# Allegro board LED_FIN.brd (continued)
## Routing (per net, layer and track width the routed paths; a pad name or vN(x,y) marks a point on that pad's centre or on a via; arc(x,y) is an arc through that point) (continued)
COL_OUT_C75: length 258
  TOP w0.15: D10755.1 v1(127.25,208.8) ; D10905.1 v1(127.25,198.8) ; v1(127.25,10.6) 126.7,10.6 R285.1 ; D10785.1 v1(127.25,206.8) ; D10695.1 v1(127.25,212.8) ; D11055.1 v1(127.25,188.8) ; D10545.1 v1(127.25,222.8) ; D11355.1 v1(127.25,168.8) ; D11205.1 v1(127.25,178.8) ; D10995.1 v1(127.25,192.8) ; D11175.1 v1(127.25,180.8) ; D11385.1 v1(127.25,166.8) ; D10665.1 v1(127.25,214.8) ; D10455.1 v1(127.25,228.8) ; D10815.1 v1(127.25,204.8) ; D10635.1 v1(127.25,216.8) ; D11025.1 v1(127.25,190.8) ; D11085.1 v1(127.25,186.8) ; D10335.1 v1(127.25,236.8) ; D10395.1 v1(127.25,232.8) ; D10305.1 v1(127.25,238.8) ; D10875.1 v1(127.25,200.8) ; D10845.1 v1(127.25,202.8) ; D10935.1 v1(127.25,196.8) ; D11265.1 v1(127.25,174.8) ; D10365.1 v1(127.25,234.8) ; D10485.1 v1(127.25,226.8) ; D11295.1 v1(127.25,172.8) ; D11325.1 v1(127.25,170.8) ; D11145.1 v1(127.25,182.8) ; D10725.1 v1(127.25,210.8) ; D10515.1 v1(127.25,224.8) ; D10605.1 v1(127.25,218.8) ; D10275.1 v1(127.25,240.8) ; D10575.1 v1(127.25,220.8) ; D11115.1 v1(127.25,184.8) ; D10425.1 v1(127.25,230.8) ; D10965.1 v1(127.25,194.8) ; D11235.1 v1(127.25,176.8)
  BOTTOM w0.15: v1(127.25,240.8) v1(127.25,238.8) v1(127.25,236.8) v1(127.25,234.8) v1(127.25,232.8) v1(127.25,230.8) v1(127.25,228.8) v1(127.25,226.8) v1(127.25,224.8) v1(127.25,222.8) v1(127.25,220.8) v1(127.25,218.8) v1(127.25,216.8) v1(127.25,214.8) v1(127.25,212.8) v1(127.25,210.8) v1(127.25,208.8) v1(127.25,206.8) v1(127.25,204.8) v1(127.25,202.8) v1(127.25,200.8) v1(127.25,198.8) v1(127.25,196.8) v1(127.25,194.8) v1(127.25,192.8) v1(127.25,190.8) v1(127.25,188.8) v1(127.25,186.8) v1(127.25,184.8) v1(127.25,182.8) v1(127.25,180.8) v1(127.25,178.8) v1(127.25,176.8) v1(127.25,174.8) v1(127.25,172.8) v1(127.25,170.8) v1(127.25,168.8) v1(127.25,166.8) 127.25,132.19 126.81,131.75 126.81,129.98 127.16,129.63 127.16,42.02 126.91,41.77 126.91,11.44 127.25,11.1 v1(127.25,10.6)
COL_OUT_C76: length 257.7
  TOP w0.15: v1(125.25,10.6) 124.7,10.6 R284.1 ; D10304.1 v1(125.25,238.8) ; D11204.1 v1(125.25,178.8) ; D10364.1 v1(125.25,234.8) ; D10814.1 v1(125.25,204.8) ; D10454.1 v1(125.25,228.8) ; D11144.1 v1(125.25,182.8) ; D10754.1 v1(125.25,208.8) ; D11084.1 v1(125.25,186.8) ; D10484.1 v1(125.25,226.8) ; D10664.1 v1(125.25,214.8) ; D10424.1 v1(125.25,230.8) ; D10964.1 v1(125.25,194.8) ; D10334.1 v1(125.25,236.8) ; D10604.1 v1(125.25,218.8) ; D11294.1 v1(125.25,172.8) ; D10844.1 v1(125.25,202.8) ; D11384.1 v1(125.25,166.8) ; D11054.1 v1(125.25,188.8) ; D11174.1 v1(125.25,180.8) ; D10784.1 v1(125.25,206.8) ; D11264.1 v1(125.25,174.8) ; D10574.1 v1(125.25,220.8) ; D10514.1 v1(125.25,224.8) ; D10934.1 v1(125.25,196.8) ; D10904.1 v1(125.25,198.8) ; D10694.1 v1(125.25,212.8) ; D10634.1 v1(125.25,216.8) ; D10394.1 v1(125.25,232.8) ; D11114.1 v1(125.25,184.8) ; D11024.1 v1(125.25,190.8) ; D10874.1 v1(125.25,200.8) ; D10994.1 v1(125.25,192.8) ; D10274.1 v1(125.25,240.8) ; D10544.1 v1(125.25,222.8) ; D11324.1 v1(125.25,170.8) ; D11234.1 v1(125.25,176.8) ; D10724.1 v1(125.25,210.8) ; D11354.1 v1(125.25,168.8)
  BOTTOM w0.15: v1(125.25,240.8) v1(125.25,238.8) v1(125.25,236.8) v1(125.25,234.8) v1(125.25,232.8) v1(125.25,230.8) v1(125.25,228.8) v1(125.25,226.8) v1(125.25,224.8) v1(125.25,222.8) v1(125.25,220.8) v1(125.25,218.8) v1(125.25,216.8) v1(125.25,214.8) v1(125.25,212.8) v1(125.25,210.8) v1(125.25,208.8) v1(125.25,206.8) v1(125.25,204.8) v1(125.25,202.8) v1(125.25,200.8) v1(125.25,198.8) v1(125.25,196.8) v1(125.25,194.8) v1(125.25,192.8) v1(125.25,190.8) v1(125.25,188.8) v1(125.25,186.8) v1(125.25,184.8) v1(125.25,182.8) v1(125.25,180.8) v1(125.25,178.8) v1(125.25,176.8) v1(125.25,174.8) v1(125.25,172.8) v1(125.25,170.8) v1(125.25,168.8) v1(125.25,166.8) 125.25,131.97 125.47,131.75 125.47,41.87 125.57,41.77 125.57,11.42 125.25,11.1 v1(125.25,10.6)
COL_OUT_C77: length 257.6
  TOP w0.15: D10543.1 v1(123.25,222.8) ; D11113.1 v1(123.25,184.8) ; D10783.1 v1(123.25,206.8) ; D10753.1 v1(123.25,208.8) ; D10633.1 v1(123.25,216.8) ; D10903.1 v1(123.25,198.8) ; D10333.1 v1(123.25,236.8) ; D11233.1 v1(123.25,176.8) ; D11383.1 v1(123.25,166.8) ; D10453.1 v1(123.25,228.8) ; D10573.1 v1(123.25,220.8) ; D11203.1 v1(123.25,178.8) ; D10513.1 v1(123.25,224.8) ; D11323.1 v1(123.25,170.8) ; D10813.1 v1(123.25,204.8) ; D10933.1 v1(123.25,196.8) ; v1(123.25,10.6) 122.7,10.6 R283.1 ; D10483.1 v1(123.25,226.8) ; D10423.1 v1(123.25,230.8) ; D10273.1 v1(123.25,240.8) ; D11293.1 v1(123.25,172.8) ; D10393.1 v1(123.25,232.8) ; D10843.1 v1(123.25,202.8) ; D10693.1 v1(123.25,212.8) ; D10873.1 v1(123.25,200.8) ; D10723.1 v1(123.25,210.8) ; D11083.1 v1(123.25,186.8) ; D10363.1 v1(123.25,234.8) ; D11353.1 v1(123.25,168.8) ; D11143.1 v1(123.25,182.8) ; D11023.1 v1(123.25,190.8) ; D10663.1 v1(123.25,214.8) ; D10993.1 v1(123.25,192.8) ; D11053.1 v1(123.25,188.8) ; D10603.1 v1(123.25,218.8) ; D10303.1 v1(123.25,238.8) ; D11173.1 v1(123.25,180.8) ; D10963.1 v1(123.25,194.8) ; D11263.1 v1(123.25,174.8)
  BOTTOM w0.15: v1(123.25,10.6) 123.1,10.75 123.1,129.88 123,129.98 123,131.75 123.25,132 v1(123.25,166.8) v1(123.25,168.8) v1(123.25,170.8) v1(123.25,172.8) v1(123.25,174.8) v1(123.25,176.8) v1(123.25,178.8) v1(123.25,180.8) v1(123.25,182.8) v1(123.25,184.8) v1(123.25,186.8) v1(123.25,188.8) v1(123.25,190.8) v1(123.25,192.8) v1(123.25,194.8) v1(123.25,196.8) v1(123.25,198.8) v1(123.25,200.8) v1(123.25,202.8) v1(123.25,204.8) v1(123.25,206.8) v1(123.25,208.8) v1(123.25,210.8) v1(123.25,212.8) v1(123.25,214.8) v1(123.25,216.8) v1(123.25,218.8) v1(123.25,220.8) v1(123.25,222.8) v1(123.25,224.8) v1(123.25,226.8) v1(123.25,228.8) v1(123.25,230.8) v1(123.25,232.8) v1(123.25,234.8) v1(123.25,236.8) v1(123.25,238.8) v1(123.25,240.8)
COL_OUT_C78: length 258.1
  TOP w0.15: D11022.1 v1(121.25,190.8) ; D10332.1 v1(121.25,236.8) ; D10602.1 v1(121.25,218.8) ; D10452.1 v1(121.25,228.8) ; D10362.1 v1(121.25,234.8) ; D10902.1 v1(121.25,198.8) ; D11232.1 v1(121.25,176.8) ; D10542.1 v1(121.25,222.8) ; D10782.1 v1(121.25,206.8) ; D10422.1 v1(121.25,230.8) ; D10812.1 v1(121.25,204.8) ; D11052.1 v1(121.25,188.8) ; D10572.1 v1(121.25,220.8) ; D10482.1 v1(121.25,226.8) ; D10752.1 v1(121.25,208.8) ; D10512.1 v1(121.25,224.8) ; D10662.1 v1(121.25,214.8) ; D11112.1 v1(121.25,184.8) ; D10872.1 v1(121.25,200.8) ; D10932.1 v1(121.25,196.8) ; D10392.1 v1(121.25,232.8) ; D11352.1 v1(121.25,168.8) ; D11142.1 v1(121.25,182.8) ; D10302.1 v1(121.25,238.8) ; R282.1 120.7,10.6 v1(121.25,10.6) ; D11382.1 v1(121.25,166.8) ; D10692.1 v1(121.25,212.8) ; D11202.1 v1(121.25,178.8) ; D11082.1 v1(121.25,186.8) ; D10722.1 v1(121.25,210.8) ; D10962.1 v1(121.25,194.8) ; D10992.1 v1(121.25,192.8) ; D11172.1 v1(121.25,180.8) ; D11322.1 v1(121.25,170.8) ; D10632.1 v1(121.25,216.8) ; D10272.1 v1(121.25,240.8) ; D10842.1 v1(121.25,202.8) ; D11292.1 v1(121.25,172.8) ; D11262.1 v1(121.25,174.8)
  BOTTOM w0.15: v1(121.25,10.6) 121.25,39.49 121.76,40 121.76,41.77 121.41,42.12 121.41,129.73 121.66,129.98 121.66,131.75 121.25,132.16 v1(121.25,166.8) v1(121.25,168.8) v1(121.25,170.8) v1(121.25,172.8) v1(121.25,174.8) v1(121.25,176.8) v1(121.25,178.8) v1(121.25,180.8) v1(121.25,182.8) v1(121.25,184.8) v1(121.25,186.8) v1(121.25,188.8) v1(121.25,190.8) v1(121.25,192.8) v1(121.25,194.8) v1(121.25,196.8) v1(121.25,198.8) v1(121.25,200.8) v1(121.25,202.8) v1(121.25,204.8) v1(121.25,206.8) v1(121.25,208.8) v1(121.25,210.8) v1(121.25,212.8) v1(121.25,214.8) v1(121.25,216.8) v1(121.25,218.8) v1(121.25,220.8) v1(121.25,222.8) v1(121.25,224.8) v1(121.25,226.8) v1(121.25,228.8) v1(121.25,230.8) v1(121.25,232.8) v1(121.25,234.8) v1(121.25,236.8) v1(121.25,238.8) v1(121.25,240.8)
COL_OUT_C79: length 257.5
  TOP w0.15: D11291.1 v1(119.25,172.8) ; D11141.1 v1(119.25,182.8) ; D10331.1 v1(119.25,236.8) ; D10991.1 v1(119.25,192.8) ; D10961.1 v1(119.25,194.8) ; R281.1 118.7,10.6 v1(119.25,10.6) ; D10391.1 v1(119.25,232.8) ; D10871.1 v1(119.25,200.8) ; D11081.1 v1(119.25,186.8) ; D10601.1 v1(119.25,218.8) ; D11351.1 v1(119.25,168.8) ; D10781.1 v1(119.25,206.8) ; D11051.1 v1(119.25,188.8) ; D10931.1 v1(119.25,196.8) ; D11231.1 v1(119.25,176.8) ; D10721.1 v1(119.25,210.8) ; D11171.1 v1(119.25,180.8) ; D11201.1 v1(119.25,178.8) ; D11021.1 v1(119.25,190.8) ; D10511.1 v1(119.25,224.8) ; D10481.1 v1(119.25,226.8) ; D11111.1 v1(119.25,184.8) ; D10751.1 v1(119.25,208.8) ; D11321.1 v1(119.25,170.8) ; D10361.1 v1(119.25,234.8) ; D10421.1 v1(119.25,230.8) ; D10571.1 v1(119.25,220.8) ; D10631.1 v1(119.25,216.8) ; D10691.1 v1(119.25,212.8) ; D11381.1 v1(119.25,166.8) ; D10271.1 v1(119.25,240.8) ; D10841.1 v1(119.25,202.8) ; D10901.1 v1(119.25,198.8) ; D10811.1 v1(119.25,204.8) ; D10451.1 v1(119.25,228.8) ; D10301.1 v1(119.25,238.8) ; D10541.1 v1(119.25,222.8) ; D10661.1 v1(119.25,214.8) ; D11261.1 v1(119.25,174.8)
  BOTTOM w0.15: v1(119.25,240.8) v1(119.25,238.8) v1(119.25,236.8) v1(119.25,234.8) v1(119.25,232.8) v1(119.25,230.8) v1(119.25,228.8) v1(119.25,226.8) v1(119.25,224.8) v1(119.25,222.8) v1(119.25,220.8) v1(119.25,218.8) v1(119.25,216.8) v1(119.25,214.8) v1(119.25,212.8) v1(119.25,210.8) v1(119.25,208.8) v1(119.25,206.8) v1(119.25,204.8) v1(119.25,202.8) v1(119.25,200.8) v1(119.25,198.8) v1(119.25,196.8) v1(119.25,194.8) v1(119.25,192.8) v1(119.25,190.8) v1(119.25,188.8) v1(119.25,186.8) v1(119.25,184.8) v1(119.25,182.8) v1(119.25,180.8) v1(119.25,178.8) v1(119.25,176.8) v1(119.25,174.8) v1(119.25,172.8) v1(119.25,170.8) v1(119.25,168.8) v1(119.25,166.8) 119.19,166.74 119.19,129.98 119.25,129.92 v1(119.25,10.6)
COL_OUT_C80: length 258.2
  TOP w0.15: D10510.1 v1(117.25,224.8) ; v1(117.25,10.6) 116.7,10.6 R280.1 ; D10300.1 v1(117.25,238.8) ; D10630.1 v1(117.25,216.8) ; D10990.1 v1(117.25,192.8) ; D10480.1 v1(117.25,226.8) ; D11170.1 v1(117.25,180.8) ; D10420.1 v1(117.25,230.8) ; D11140.1 v1(117.25,182.8) ; D11020.1 v1(117.25,190.8) ; D10930.1 v1(117.25,196.8) ; D11290.1 v1(117.25,172.8) ; D10870.1 v1(117.25,200.8) ; D11050.1 v1(117.25,188.8) ; D10660.1 v1(117.25,214.8) ; D10360.1 v1(117.25,234.8) ; D10540.1 v1(117.25,222.8) ; D10810.1 v1(117.25,204.8) ; D11110.1 v1(117.25,184.8) ; D11230.1 v1(117.25,176.8) ; D11080.1 v1(117.25,186.8) ; D11350.1 v1(117.25,168.8) ; D10900.1 v1(117.25,198.8) ; D10450.1 v1(117.25,228.8) ; D10840.1 v1(117.25,202.8) ; D11320.1 v1(117.25,170.8) ; D10390.1 v1(117.25,232.8) ; D10960.1 v1(117.25,194.8) ; D10330.1 v1(117.25,236.8) ; D10720.1 v1(117.25,210.8) ; D11200.1 v1(117.25,178.8) ; D11380.1 v1(117.25,166.8) ; D10750.1 v1(117.25,208.8) ; D10690.1 v1(117.25,212.8) ; D11260.1 v1(117.25,174.8) ; D10270.1 v1(117.25,240.8) ; D10780.1 v1(117.25,206.8) ; D10600.1 v1(117.25,218.8) ; D10570.1 v1(117.25,220.8)
  BOTTOM w0.15: v1(117.25,240.8) v1(117.25,238.8) v1(117.25,236.8) v1(117.25,234.8) v1(117.25,232.8) v1(117.25,230.8) v1(117.25,228.8) v1(117.25,226.8) v1(117.25,224.8) v1(117.25,222.8) v1(117.25,220.8) v1(117.25,218.8) v1(117.25,216.8) v1(117.25,214.8) v1(117.25,212.8) v1(117.25,210.8) v1(117.25,208.8) v1(117.25,206.8) v1(117.25,204.8) v1(117.25,202.8) v1(117.25,200.8) v1(117.25,198.8) v1(117.25,196.8) v1(117.25,194.8) v1(117.25,192.8) v1(117.25,190.8) v1(117.25,188.8) v1(117.25,186.8) v1(117.25,184.8) v1(117.25,182.8) v1(117.25,180.8) v1(117.25,178.8) v1(117.25,176.8) v1(117.25,174.8) v1(117.25,172.8) v1(117.25,170.8) v1(117.25,168.8) v1(117.25,166.8) 117.25,132.35 116.65,131.75 116.65,129.98 117.1,129.53 117.1,42.12 116.75,41.77 116.75,11.1 v1(117.25,10.6)
COL_OUT_C81: length 257.6
  TOP w0.15: D10689.1 v1(115.25,212.8) ; D11079.1 v1(115.25,186.8) ; D10299.1 v1(115.25,238.8) ; D10539.1 v1(115.25,222.8) ; D10479.1 v1(115.25,226.8) ; D10269.1 v1(115.25,240.8) ; D11199.1 v1(115.25,178.8) ; D10809.1 v1(115.25,204.8) ; D10419.1 v1(115.25,230.8) ; D11289.1 v1(115.25,172.8) ; D11169.1 v1(115.25,180.8) ; D10749.1 v1(115.25,208.8) ; D10659.1 v1(115.25,214.8) ; v1(115.25,10.6) 114.7,10.6 R279.1 ; D10899.1 v1(115.25,198.8) ; D10629.1 v1(115.25,216.8) ; D10389.1 v1(115.25,232.8) ; D10839.1 v1(115.25,202.8) ; D10779.1 v1(115.25,206.8) ; D10599.1 v1(115.25,218.8) ; D11019.1 v1(115.25,190.8) ; D10359.1 v1(115.25,234.8) ; D10569.1 v1(115.25,220.8) ; D11139.1 v1(115.25,182.8) ; D11319.1 v1(115.25,170.8) ; D11229.1 v1(115.25,176.8) ; D10959.1 v1(115.25,194.8) ; D10719.1 v1(115.25,210.8) ; D11349.1 v1(115.25,168.8) ; D10449.1 v1(115.25,228.8) ; D10869.1 v1(115.25,200.8) ; D11049.1 v1(115.25,188.8) ; D10509.1 v1(115.25,224.8) ; D11259.1 v1(115.25,174.8) ; D10989.1 v1(115.25,192.8) ; D11109.1 v1(115.25,184.8) ; D10929.1 v1(115.25,196.8) ; D10329.1 v1(115.25,236.8) ; D11379.1 v1(115.25,166.8)
  BOTTOM w0.15: v1(115.25,240.8) v1(115.25,238.8) v1(115.25,236.8) v1(115.25,234.8) v1(115.25,232.8) v1(115.25,230.8) v1(115.25,228.8) v1(115.25,226.8) v1(115.25,224.8) v1(115.25,222.8) v1(115.25,220.8) v1(115.25,218.8) v1(115.25,216.8) v1(115.25,214.8) v1(115.25,212.8) v1(115.25,210.8) v1(115.25,208.8) v1(115.25,206.8) v1(115.25,204.8) v1(115.25,202.8) v1(115.25,200.8) v1(115.25,198.8) v1(115.25,196.8) v1(115.25,194.8) v1(115.25,192.8) v1(115.25,190.8) v1(115.25,188.8) v1(115.25,186.8) v1(115.25,184.8) v1(115.25,182.8) v1(115.25,180.8) v1(115.25,178.8) v1(115.25,176.8) v1(115.25,174.8) v1(115.25,172.8) v1(115.25,170.8) v1(115.25,168.8) v1(115.25,166.8) 115.31,166.74 115.31,41.87 115.41,41.77 115.41,10.76 v1(115.25,10.6)
COL_OUT_C82: length 258
  TOP w0.15: D11108.1 v1(113.25,184.8) ; D11078.1 v1(113.25,186.8) ; D10898.1 v1(113.25,198.8) ; R278.1 112.7,10.6 v1(113.25,10.6) ; D10598.1 v1(113.25,218.8) ; D10418.1 v1(113.25,230.8) ; D10508.1 v1(113.25,224.8) ; D10988.1 v1(113.25,192.8) ; D11048.1 v1(113.25,188.8) ; D10868.1 v1(113.25,200.8) ; D10928.1 v1(113.25,196.8) ; D10838.1 v1(113.25,202.8) ; D10448.1 v1(113.25,228.8) ; D10748.1 v1(113.25,208.8) ; D10538.1 v1(113.25,222.8) ; D10568.1 v1(113.25,220.8) ; D10298.1 v1(113.25,238.8) ; D11198.1 v1(113.25,178.8) ; D11018.1 v1(113.25,190.8) ; D10718.1 v1(113.25,210.8) ; D10268.1 v1(113.25,240.8) ; D10388.1 v1(113.25,232.8) ; D10478.1 v1(113.25,226.8) ; D10628.1 v1(113.25,216.8) ; D10688.1 v1(113.25,212.8) ; D11228.1 v1(113.25,176.8) ; D10658.1 v1(113.25,214.8) ; D11168.1 v1(113.25,180.8) ; D11138.1 v1(113.25,182.8) ; D10358.1 v1(113.25,234.8) ; D11378.1 v1(113.25,166.8) ; D11318.1 v1(113.25,170.8) ; D10958.1 v1(113.25,194.8) ; D10328.1 v1(113.25,236.8) ; D11288.1 v1(113.25,172.8) ; D11258.1 v1(113.25,174.8) ; D11348.1 v1(113.25,168.8) ; D10808.1 v1(113.25,204.8) ; D10778.1 v1(113.25,206.8)
  BOTTOM w0.15: v1(113.25,10.6) 113.25,11.1 112.94,11.41 112.94,41.77 113.19,42.02 113.19,129.63 112.84,129.98 112.84,131.75 113.25,132.16 v1(113.25,166.8) v1(113.25,168.8) v1(113.25,170.8) v1(113.25,172.8) v1(113.25,174.8) v1(113.25,176.8) v1(113.25,178.8) v1(113.25,180.8) v1(113.25,182.8) v1(113.25,184.8) v1(113.25,186.8) v1(113.25,188.8) v1(113.25,190.8) v1(113.25,192.8) v1(113.25,194.8) v1(113.25,196.8) v1(113.25,198.8) v1(113.25,200.8) v1(113.25,202.8) v1(113.25,204.8) v1(113.25,206.8) v1(113.25,208.8) v1(113.25,210.8) v1(113.25,212.8) v1(113.25,214.8) v1(113.25,216.8) v1(113.25,218.8) v1(113.25,220.8) v1(113.25,222.8) v1(113.25,224.8) v1(113.25,226.8) v1(113.25,228.8) v1(113.25,230.8) v1(113.25,232.8) v1(113.25,234.8) v1(113.25,236.8) v1(113.25,238.8) v1(113.25,240.8)
COL_OUT_C83: length 257.7
  TOP w0.15: D10447.1 v1(111.25,228.8) ; D10597.1 v1(111.25,218.8) ; D10957.1 v1(111.25,194.8) ; D11167.1 v1(111.25,180.8) ; D11227.1 v1(111.25,176.8) ; D10627.1 v1(111.25,216.8) ; D11107.1 v1(111.25,184.8) ; D10297.1 v1(111.25,238.8) ; D11287.1 v1(111.25,172.8) ; D10507.1 v1(111.25,224.8) ; D10357.1 v1(111.25,234.8) ; D10747.1 v1(111.25,208.8) ; D10777.1 v1(111.25,206.8) ; D10807.1 v1(111.25,204.8) ; D11077.1 v1(111.25,186.8) ; D11377.1 v1(111.25,166.8) ; D11317.1 v1(111.25,170.8) ; D10927.1 v1(111.25,196.8) ; D11017.1 v1(111.25,190.8) ; D11197.1 v1(111.25,178.8) ; D10987.1 v1(111.25,192.8) ; D10537.1 v1(111.25,222.8) ; D10477.1 v1(111.25,226.8) ; D10567.1 v1(111.25,220.8) ; D10417.1 v1(111.25,230.8) ; D10327.1 v1(111.25,236.8) ; D10387.1 v1(111.25,232.8) ; D10687.1 v1(111.25,212.8) ; D10267.1 v1(111.25,240.8) ; D11347.1 v1(111.25,168.8) ; D10897.1 v1(111.25,198.8) ; D10837.1 v1(111.25,202.8) ; D10657.1 v1(111.25,214.8) ; D10867.1 v1(111.25,200.8) ; D11137.1 v1(111.25,182.8) ; D11257.1 v1(111.25,174.8) ; R277.1 110.7,10.6 v1(111.25,10.6) ; D10717.1 v1(111.25,210.8) ; D11047.1 v1(111.25,188.8)
  BOTTOM w0.15: v1(111.25,10.6) 111.25,11.1 111.6,11.45 111.6,41.77 111.5,41.87 111.5,131.75 111.25,132 v1(111.25,166.8) v1(111.25,168.8) v1(111.25,170.8) v1(111.25,172.8) v1(111.25,174.8) v1(111.25,176.8) v1(111.25,178.8) v1(111.25,180.8) v1(111.25,182.8) v1(111.25,184.8) v1(111.25,186.8) v1(111.25,188.8) v1(111.25,190.8) v1(111.25,192.8) v1(111.25,194.8) v1(111.25,196.8) v1(111.25,198.8) v1(111.25,200.8) v1(111.25,202.8) v1(111.25,204.8) v1(111.25,206.8) v1(111.25,208.8) v1(111.25,210.8) v1(111.25,212.8) v1(111.25,214.8) v1(111.25,216.8) v1(111.25,218.8) v1(111.25,220.8) v1(111.25,222.8) v1(111.25,224.8) v1(111.25,226.8) v1(111.25,228.8) v1(111.25,230.8) v1(111.25,232.8) v1(111.25,234.8) v1(111.25,236.8) v1(111.25,238.8) v1(111.25,240.8)
COL_OUT_C84: length 257.6
  TOP w0.15: D11046.1 v1(109.25,188.8) ; R276.1 108.7,10.6 v1(109.25,10.6) ; D10956.1 v1(109.25,194.8) ; D10716.1 v1(109.25,210.8) ; D10836.1 v1(109.25,202.8) ; D11226.1 v1(109.25,176.8) ; D10626.1 v1(109.25,216.8) ; D10656.1 v1(109.25,214.8) ; D11376.1 v1(109.25,166.8) ; D10926.1 v1(109.25,196.8) ; D10776.1 v1(109.25,206.8) ; D11136.1 v1(109.25,182.8) ; D10866.1 v1(109.25,200.8) ; D10566.1 v1(109.25,220.8) ; D11106.1 v1(109.25,184.8) ; D10806.1 v1(109.25,204.8) ; D11256.1 v1(109.25,174.8) ; D10476.1 v1(109.25,226.8) ; D11016.1 v1(109.25,190.8) ; D10896.1 v1(109.25,198.8) ; D11166.1 v1(109.25,180.8) ; D10356.1 v1(109.25,234.8) ; D10266.1 v1(109.25,240.8) ; D11286.1 v1(109.25,172.8) ; D10506.1 v1(109.25,224.8) ; D11346.1 v1(109.25,168.8) ; D11316.1 v1(109.25,170.8) ; D10686.1 v1(109.25,212.8) ; D10416.1 v1(109.25,230.8) ; D10386.1 v1(109.25,232.8) ; D11076.1 v1(109.25,186.8) ; D10326.1 v1(109.25,236.8) ; D10446.1 v1(109.25,228.8) ; D11196.1 v1(109.25,178.8) ; D10536.1 v1(109.25,222.8) ; D10596.1 v1(109.25,218.8) ; D10296.1 v1(109.25,238.8) ; D10746.1 v1(109.25,208.8) ; D10986.1 v1(109.25,192.8)
  BOTTOM w0.15: v1(109.25,240.8) v1(109.25,238.8) v1(109.25,236.8) v1(109.25,234.8) v1(109.25,232.8) v1(109.25,230.8) v1(109.25,228.8) v1(109.25,226.8) v1(109.25,224.8) v1(109.25,222.8) v1(109.25,220.8) v1(109.25,218.8) v1(109.25,216.8) v1(109.25,214.8) v1(109.25,212.8) v1(109.25,210.8) v1(109.25,208.8) v1(109.25,206.8) v1(109.25,204.8) v1(109.25,202.8) v1(109.25,200.8) v1(109.25,198.8) v1(109.25,196.8) v1(109.25,194.8) v1(109.25,192.8) v1(109.25,190.8) v1(109.25,188.8) v1(109.25,186.8) v1(109.25,184.8) v1(109.25,182.8) v1(109.25,180.8) v1(109.25,178.8) v1(109.25,176.8) v1(109.25,174.8) v1(109.25,172.8) v1(109.25,170.8) v1(109.25,168.8) v1(109.25,166.8) 109.25,131.97 109.03,131.75 109.03,129.98 109.13,129.88 109.13,10.72 v1(109.25,10.6)
COL_OUT_C85: length 258.1
  TOP w0.15: D11015.1 v1(107.25,190.8) ; D10415.1 v1(107.25,230.8) ; D11135.1 v1(107.25,182.8) ; R275.1 106.7,10.6 v1(107.25,10.6) ; D10985.1 v1(107.25,192.8) ; D11345.1 v1(107.25,168.8) ; D11225.1 v1(107.25,176.8) ; D10925.1 v1(107.25,196.8) ; D10715.1 v1(107.25,210.8) ; D10745.1 v1(107.25,208.8) ; D11105.1 v1(107.25,184.8) ; D11285.1 v1(107.25,172.8) ; D10295.1 v1(107.25,238.8) ; D10445.1 v1(107.25,228.8) ; D10265.1 v1(107.25,240.8) ; D10355.1 v1(107.25,234.8) ; D10685.1 v1(107.25,212.8) ; D10385.1 v1(107.25,232.8) ; D11165.1 v1(107.25,180.8) ; D10565.1 v1(107.25,220.8) ; D10535.1 v1(107.25,222.8) ; D11255.1 v1(107.25,174.8) ; D10775.1 v1(107.25,206.8) ; D10595.1 v1(107.25,218.8) ; D10475.1 v1(107.25,226.8) ; D11195.1 v1(107.25,178.8) ; D10805.1 v1(107.25,204.8) ; D10835.1 v1(107.25,202.8) ; D11375.1 v1(107.25,166.8) ; D10955.1 v1(107.25,194.8) ; D11315.1 v1(107.25,170.8) ; D10655.1 v1(107.25,214.8) ; D10895.1 v1(107.25,198.8) ; D10505.1 v1(107.25,224.8) ; D10625.1 v1(107.25,216.8) ; D11075.1 v1(107.25,186.8) ; D11045.1 v1(107.25,188.8) ; D10865.1 v1(107.25,200.8) ; D10325.1 v1(107.25,236.8)
  BOTTOM w0.15: v1(107.25,10.6) 107.25,39.46 107.79,40 107.79,41.77 107.44,42.12 107.44,129.73 107.69,129.98 107.69,131.75 107.25,132.19 v1(107.25,166.8) v1(107.25,168.8) v1(107.25,170.8) v1(107.25,172.8) v1(107.25,174.8) v1(107.25,176.8) v1(107.25,178.8) v1(107.25,180.8) v1(107.25,182.8) v1(107.25,184.8) v1(107.25,186.8) v1(107.25,188.8) v1(107.25,190.8) v1(107.25,192.8) v1(107.25,194.8) v1(107.25,196.8) v1(107.25,198.8) v1(107.25,200.8) v1(107.25,202.8) v1(107.25,204.8) v1(107.25,206.8) v1(107.25,208.8) v1(107.25,210.8) v1(107.25,212.8) v1(107.25,214.8) v1(107.25,216.8) v1(107.25,218.8) v1(107.25,220.8) v1(107.25,222.8) v1(107.25,224.8) v1(107.25,226.8) v1(107.25,228.8) v1(107.25,230.8) v1(107.25,232.8) v1(107.25,234.8) v1(107.25,236.8) v1(107.25,238.8) v1(107.25,240.8)
COL_OUT_C86: length 257.4
  TOP w0.15: D11254.1 v1(105.25,174.8) ; D10834.1 v1(105.25,202.8) ; D11224.1 v1(105.25,176.8) ; D11074.1 v1(105.25,186.8) ; D10744.1 v1(105.25,208.8) ; D10474.1 v1(105.25,226.8) ; D10954.1 v1(105.25,194.8) ; D11314.1 v1(105.25,170.8) ; D10504.1 v1(105.25,224.8) ; D11284.1 v1(105.25,172.8) ; D10924.1 v1(105.25,196.8) ; R274.1 104.7,10.6 v1(105.25,10.6) ; D10264.1 v1(105.25,240.8) ; D11194.1 v1(105.25,178.8) ; D10804.1 v1(105.25,204.8) ; D11134.1 v1(105.25,182.8) ; D10564.1 v1(105.25,220.8) ; D10444.1 v1(105.25,228.8) ; D10654.1 v1(105.25,214.8) ; D10294.1 v1(105.25,238.8) ; D10774.1 v1(105.25,206.8) ; D10984.1 v1(105.25,192.8) ; D11014.1 v1(105.25,190.8) ; D11344.1 v1(105.25,168.8) ; D10594.1 v1(105.25,218.8) ; D11104.1 v1(105.25,184.8) ; D11164.1 v1(105.25,180.8) ; D10354.1 v1(105.25,234.8) ; D10384.1 v1(105.25,232.8) ; D10414.1 v1(105.25,230.8) ; D10534.1 v1(105.25,222.8) ; D10684.1 v1(105.25,212.8) ; D10324.1 v1(105.25,236.8) ; D10864.1 v1(105.25,200.8) ; D10624.1 v1(105.25,216.8) ; D11374.1 v1(105.25,166.8) ; D10714.1 v1(105.25,210.8) ; D10894.1 v1(105.25,198.8) ; D11044.1 v1(105.25,188.8)
  BOTTOM w0.15: v1(105.25,240.8) v1(105.25,238.8) v1(105.25,236.8) v1(105.25,234.8) v1(105.25,232.8) v1(105.25,230.8) v1(105.25,228.8) v1(105.25,226.8) v1(105.25,224.8) v1(105.25,222.8) v1(105.25,220.8) v1(105.25,218.8) v1(105.25,216.8) v1(105.25,214.8) v1(105.25,212.8) v1(105.25,210.8) v1(105.25,208.8) v1(105.25,206.8) v1(105.25,204.8) v1(105.25,202.8) v1(105.25,200.8) v1(105.25,198.8) v1(105.25,196.8) v1(105.25,194.8) v1(105.25,192.8) v1(105.25,190.8) v1(105.25,188.8) v1(105.25,186.8) v1(105.25,184.8) v1(105.25,182.8) v1(105.25,180.8) v1(105.25,178.8) v1(105.25,176.8) v1(105.25,174.8) v1(105.25,172.8) v1(105.25,170.8) v1(105.25,168.8) v1(105.25,166.8) 105.22,166.77 105.22,129.98 105.25,129.95 v1(105.25,10.6)
COL_OUT_C87: length 258.2
  TOP w0.15: D10923.1 v1(103.25,196.8) ; D10323.1 v1(103.25,236.8) ; D11163.1 v1(103.25,180.8) ; D10443.1 v1(103.25,228.8) ; D10503.1 v1(103.25,224.8) ; D10533.1 v1(103.25,222.8) ; D11073.1 v1(103.25,186.8) ; D10803.1 v1(103.25,204.8) ; D11373.1 v1(103.25,166.8) ; R273.1 102.7,10.6 v1(103.25,10.6) ; D10893.1 v1(103.25,198.8) ; D10353.1 v1(103.25,234.8) ; D10713.1 v1(103.25,210.8) ; D10743.1 v1(103.25,208.8) ; D10773.1 v1(103.25,206.8) ; D11343.1 v1(103.25,168.8) ; D11313.1 v1(103.25,170.8) ; D10953.1 v1(103.25,194.8) ; D10263.1 v1(103.25,240.8) ; D10563.1 v1(103.25,220.8) ; D10473.1 v1(103.25,226.8) ; D11223.1 v1(103.25,176.8) ; D10683.1 v1(103.25,212.8) ; D10593.1 v1(103.25,218.8) ; D10983.1 v1(103.25,192.8) ; D10383.1 v1(103.25,232.8) ; D11253.1 v1(103.25,174.8) ; D11283.1 v1(103.25,172.8) ; D10863.1 v1(103.25,200.8) ; D11103.1 v1(103.25,184.8) ; D11193.1 v1(103.25,178.8) ; D10623.1 v1(103.25,216.8) ; D10833.1 v1(103.25,202.8) ; D10293.1 v1(103.25,238.8) ; D10653.1 v1(103.25,214.8) ; D11013.1 v1(103.25,190.8) ; D11133.1 v1(103.25,182.8) ; D10413.1 v1(103.25,230.8) ; D11043.1 v1(103.25,188.8)
  BOTTOM w0.15: v1(103.25,10.6) 102.78,11.07 102.78,41.77 103.13,42.12 103.13,129.53 102.68,129.98 102.68,131.75 103.25,132.32 v1(103.25,166.8) v1(103.25,168.8) v1(103.25,170.8) v1(103.25,172.8) v1(103.25,174.8) v1(103.25,176.8) v1(103.25,178.8) v1(103.25,180.8) v1(103.25,182.8) v1(103.25,184.8) v1(103.25,186.8) v1(103.25,188.8) v1(103.25,190.8) v1(103.25,192.8) v1(103.25,194.8) v1(103.25,196.8) v1(103.25,198.8) v1(103.25,200.8) v1(103.25,202.8) v1(103.25,204.8) v1(103.25,206.8) v1(103.25,208.8) v1(103.25,210.8) v1(103.25,212.8) v1(103.25,214.8) v1(103.25,216.8) v1(103.25,218.8) v1(103.25,220.8) v1(103.25,222.8) v1(103.25,224.8) v1(103.25,226.8) v1(103.25,228.8) v1(103.25,230.8) v1(103.25,232.8) v1(103.25,234.8) v1(103.25,236.8) v1(103.25,238.8) v1(103.25,240.8)
COL_OUT_C88: length 257.6
  TOP w0.15: D10802.1 v1(101.25,204.8) ; D10292.1 v1(101.25,238.8) ; D10382.1 v1(101.25,232.8) ; D11042.1 v1(101.25,188.8) ; D11162.1 v1(101.25,180.8) ; D11132.1 v1(101.25,182.8) ; D10712.1 v1(101.25,210.8) ; D11372.1 v1(101.25,166.8) ; D10862.1 v1(101.25,200.8) ; D10472.1 v1(101.25,226.8) ; v1(101.25,10.6) 100.7,10.6 R272.1 ; D10982.1 v1(101.25,192.8) ; D11282.1 v1(101.25,172.8) ; D10742.1 v1(101.25,208.8) ; D10442.1 v1(101.25,228.8) ; D11102.1 v1(101.25,184.8) ; D10322.1 v1(101.25,236.8) ; D11012.1 v1(101.25,190.8) ; D10532.1 v1(101.25,222.8) ; D10952.1 v1(101.25,194.8) ; D10562.1 v1(101.25,220.8) ; D10772.1 v1(101.25,206.8) ; D11222.1 v1(101.25,176.8) ; D10922.1 v1(101.25,196.8) ; D11192.1 v1(101.25,178.8) ; D10412.1 v1(101.25,230.8) ; D10892.1 v1(101.25,198.8) ; D10652.1 v1(101.25,214.8) ; D10682.1 v1(101.25,212.8) ; D10502.1 v1(101.25,224.8) ; D10592.1 v1(101.25,218.8) ; D10832.1 v1(101.25,202.8) ; D11312.1 v1(101.25,170.8) ; D11342.1 v1(101.25,168.8) ; D10622.1 v1(101.25,216.8) ; D10262.1 v1(101.25,240.8) ; D11252.1 v1(101.25,174.8) ; D10352.1 v1(101.25,234.8) ; D11072.1 v1(101.25,186.8)